# Altium PCB 第十三届电磁PCB.PcbDoc (part 2 of 2) (continued)
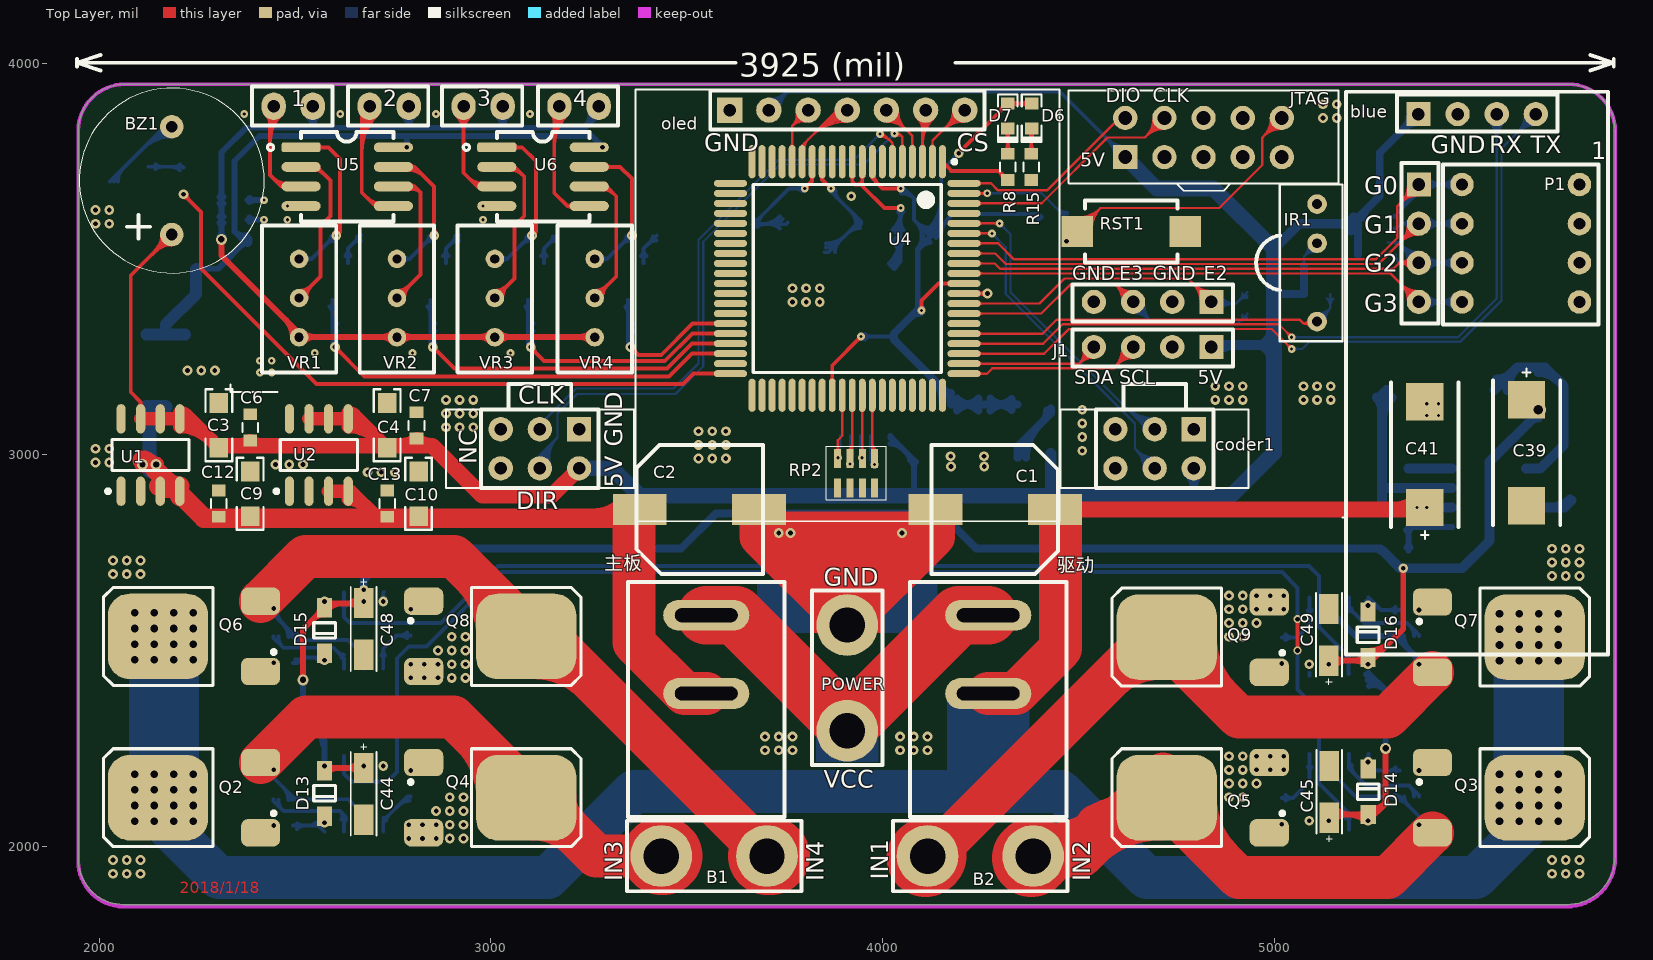
[diagram p0: Top Layer view]
## Nets (pads, with @x,y where several pads share a name; then routed paths per layer and width w, separated by ;. In a path a pad name is that pad's centre, name@x,y a point inside that pad or via, vN(x,y) a via of type N, cw(c..) or ccw(c..) an arc to the next point about the centre after c; other vN are vias at no path point) (continued)
PE1_CODER1DIR: coder1.5 U4.75 | length 1169.3
  Top Layer w6: U4.75@4208.23,3565.16 v3@4280,3565.16 ; U4.75@4245.83,3561.02 cw(c4255.84,3551.02) 4255.84,3565.16 cw(c4255.84,3579.3) U4.75@4245.83,3569.3 ; 4262.72,3565.16 cw(c4262.72,3547.72) v3@4275.05,3560.05 ; 4263.48,3565.16 ccw(c4263.48,3581.52) v3@4275.05,3569.95
  Bottom Layer w6: v3@4280,3558 cw(c4280,3541.1) 4291.95,3553.05 cw(c4303.9,3565) v3@4287,3565 ; v3(4280,3565) 4315,3530 4315,3410 4645,3080 4645,3015 coder1.5@4695,2965 ; coder1.5@4667,2965 ccw(c4599.4,2965) 4647.2,3012.8 ccw(c4695,3060.6) coder1.5@4695,2993 ; coder1.5@4673,2965 ccw(c4619.89,2965) 4657.44,3002.56 ccw(c4695,3040.11) coder1.5@4695,2987 ; coder1.5@4679,2965 ccw(c4640.37,2965) 4667.69,2992.31 ccw(c4695,3019.63) coder1.5@4695,2981
PE7_FTM1_COUNT: P-coder2.2 U4.6 | length 1556.1
  Top Layer w6: v3@3994,3812 cw(c3994,3775.79) 4019.61,3801.39 ; v3@3994,3818 cw(c3994,3796.27) 4009.36,3811.64 ; v3(3994,3819) 4002,3819 4025.16,3795.84 ; U4.6@4021.02,3785.83 ccw(c4011.02,3795.84) 4025.16,3795.84 ; U4.6@4025.16,3748.23 4025.16,3795.84 ; U4.6@4029.3,3785.83 cw(c4039.3,3795.84) 4025.16,3795.84
  Bottom Layer w6: P-coder2.2@3125,3065 3125,3076.97 3217.03,3169 3466,3169 3530,3233 3530,3548.97 3734.03,3753 3928,3753 v3(3994,3819) ; v3@3987,3819 cw(c3970.1,3819) 3982.05,3807.05 cw(c3994,3795.1) v3@3994,3812
PF4_ADC0_SE12: C28.2 D8.2 R18.2 U4.38 | length 1501.1
  Top Layer w10: v1@2601.5,3267.5 cw(c2601.5,3249.39) 2614.3,3262.2 cw(c2627.11,3275) v1@2609,3275 ; v1(2601.5,3275) 2676.5,3200 3455,3200 3513.07,3258.07 U4.38@3611.77,3258.07 ; U4.38@3575.58,3255.34 ccw(c3568.99,3248.76) 3568.99,3258.07 ccw(c3568.99,3267.38) U4.38@3575.58,3260.8
  Bottom Layer w10: D8.2@2587.93,3377.93 cw(c2570.86,3360.86) 2595,3360.86 cw(c2619.14,3360.86) D8.2@2602.07,3377.93 ; R18.2@2595,3282.67 cw(c2641.33,3282.67) C28.2@2608.57,3315.43 ; 2595,3293.19 ccw(c2617.19,3293.19) R18.2@2601.5,3277.5 ; 2595,3306.81 cw(c2617.19,3306.81) C28.2@2601.5,3322.5 ; C28.2@2595,3308.8 ccw(c2635.3,3308.8) R18.2@2606.8,3280.3 ; C28.2@2595,3317.33 ccw(c2641.33,3317.33) R18.2@2608.57,3284.57 ; 2595,3343.19 ccw(c2617.19,3343.19) C28.2@2601.5,3327.5 ; 2595,3367.33 ccw(c2641.33,3367.33) C28.2@2608.57,3334.57 ; D8.2@2595,3395 2595,3281.5 v1(2601.5,3275) ; R18.2@2596.55,3280.64 ccw(c2586.41,3292.2) 2599.73,3299.89 ; R18.2@2603.15,3273.12 ccw(c2594.61,3282.86) R18.2@2605.82,3289.33
PF5_ADC0_SE13: C32.2 D9.2 R20.2 U4.37 | length 1245.2
  Top Layer w10: v1@2851.5,3267.5 cw(c2851.5,3249.39) 2864.3,3262.2 cw(c2877.11,3275) v1@2859,3275 ; v1(2851.5,3275) 2906.5,3220 3450,3220 3513.66,3283.66 U4.37@3611.77,3283.66 ; U4.37@3575.58,3280.93 ccw(c3568.99,3274.35) 3568.99,3283.66 ccw(c3568.99,3292.98) U4.37@3575.58,3286.39
  Bottom Layer w10: D9.2@2837.93,3377.93 cw(c2820.86,3360.86) 2845,3360.86 cw(c2869.14,3360.86) D9.2@2852.07,3377.93 ; R20.2@2845,3282.67 cw(c2891.33,3282.67) C32.2@2858.57,3315.43 ; 2845,3293.19 ccw(c2867.19,3293.19) R20.2@2851.5,3277.5 ; 2845,3306.81 cw(c2867.19,3306.81) C32.2@2851.5,3322.5 ; C32.2@2845,3308.8 ccw(c2885.3,3308.8) R20.2@2856.8,3280.3 ; C32.2@2845,3317.33 ccw(c2891.33,3317.33) R20.2@2858.57,3284.57 ; 2845,3343.19 ccw(c2867.19,3343.19) C32.2@2851.5,3327.5 ; 2845,3367.33 ccw(c2891.33,3367.33) C32.2@2858.57,3334.57 ; D9.2@2845,3395 2845,3281.5 v1(2851.5,3275) ; R20.2@2846.55,3280.64 ccw(c2836.41,3292.2) 2849.73,3299.89 ; R20.2@2853.15,3273.12 ccw(c2844.61,3282.86) R20.2@2855.82,3289.33
PF6_ADC0_SE14: C34.2 D10.2 R21.2 U4.36 | length 990.9
  Top Layer w10: v1@3101.5,3267.5 cw(c3101.5,3253.01) 3111.74,3263.26 ; v1(3101.5,3275) 3101.5,3273.5 3136,3239 3444,3239 3514.25,3309.25 U4.36@3611.77,3309.25 ; v1@3109,3275 ccw(c3130.73,3275) 3115.36,3259.64 ; U4.36@3575.58,3306.53 ccw(c3568.99,3299.94) 3568.99,3309.25 ccw(c3568.99,3318.57) U4.36@3575.58,3311.98
  Bottom Layer w10: D10.2@3087.93,3377.93 cw(c3070.86,3360.86) 3095,3360.86 cw(c3119.14,3360.86) D10.2@3102.07,3377.93 ; R21.2@3095,3282.67 cw(c3141.33,3282.67) C34.2@3108.57,3315.43 ; 3095,3293.19 ccw(c3117.19,3293.19) R21.2@3101.5,3277.5 ; 3095,3306.81 cw(c3117.19,3306.81) C34.2@3101.5,3322.5 ; C34.2@3095,3308.8 ccw(c3135.3,3308.8) R21.2@3106.8,3280.3 ; C34.2@3095,3317.33 ccw(c3141.33,3317.33) R21.2@3108.57,3284.57 ; 3095,3343.19 ccw(c3117.19,3343.19) C34.2@3101.5,3327.5 ; 3095,3367.33 ccw(c3141.33,3367.33) C34.2@3108.57,3334.57 ; D10.2@3095,3395 3095,3281.5 v1(3101.5,3275) ; R21.2@3096.55,3280.64 ccw(c3086.41,3292.2) 3099.73,3299.89 ; R21.2@3103.15,3273.12 ccw(c3094.61,3282.86) R21.2@3105.82,3289.33
PF7_ADC0_SE15: C37.2 D11.2 R22.2 U4.35 | length 730.3
  Top Layer w10: v1@3356.5,3267.5 cw(c3356.5,3249.39) 3369.3,3262.2 cw(c3382.11,3275) v1@3364,3275 ; v1(3356.5,3275) 3376.5,3255 3435,3255 3514.84,3334.84 U4.35@3611.77,3334.84 ; U4.35@3575.58,3332.11 ccw(c3568.99,3325.53) 3568.99,3334.84 ccw(c3568.99,3344.16) U4.35@3575.58,3337.57
  Bottom Layer w10: D11.2@3342.93,3377.93 cw(c3325.86,3360.86) 3350,3360.86 cw(c3374.14,3360.86) D11.2@3357.07,3377.93 ; R22.2@3350,3282.67 cw(c3396.33,3282.67) C37.2@3363.57,3315.43 ; 3350,3293.19 ccw(c3372.19,3293.19) R22.2@3356.5,3277.5 ; 3350,3306.81 cw(c3372.19,3306.81) C37.2@3356.5,3322.5 ; C37.2@3350,3308.8 ccw(c3390.3,3308.8) R22.2@3361.8,3280.3 ; C37.2@3350,3317.33 ccw(c3396.33,3317.33) R22.2@3363.57,3284.57 ; 3350,3343.19 ccw(c3372.19,3343.19) C37.2@3356.5,3327.5 ; 3350,3367.33 ccw(c3396.33,3367.33) C37.2@3363.57,3334.57 ; D11.2@3350,3395 3350,3276.5 R22.2@3351.5,3275 ; R22.2@3351.55,3280.64 ccw(c3341.41,3292.2) 3354.73,3299.89 ; R22.2@3358.15,3273.12 ccw(c3349.61,3282.86) R22.2@3360.82,3289.33
PG4_FTM2_CH2: RP2.2 U4.53 U7.18 | length 341.7
  Top Layer w6: U4.53@3969.83,3114.17 cw(c3959.83,3104.16) 3973.97,3104.16 cw(c3988.12,3104.16) U4.53@3978.12,3114.17 ; 3973.97,3019.95 ccw(c3994.2,3019.95) RP2.2@3979.9,3005.65 ; 3973.97,3034.44 ccw(c4008.69,3034.44) RP2.2@3984.14,3009.89 ; U4.53@3973.97,3151.77 3973.97,2996.62 RP2.2@3980,2990.59
  Bottom Layer w6: U7.18@3966.76,3024.32 cw(c3961.8,3019.36) 3968.82,3019.36 cw(c3975.83,3019.36) U7.18@3970.87,3024.32 ; U7.18@3968.82,3048.03 3968.82,2986.18 ; v3@3973.01,2975.34 ccw(c3958.66,2976.03) 3968.82,2986.18 ; v3@3979.66,2981.99 cw(c3978.97,2996.34) 3968.82,2986.18 ; v3(3980,2975) 3968.82,2986.18
PG5_FTM2_CH3: RP2.4 U4.52 U7.17 | length 340.7
  Top Layer w6: RP2.4@3943.05,2996.95 ccw(c3930.17,3009.83) RP2.4@3948.39,3009.83 ; U4.52@3944.24,3114.17 cw(c3934.24,3104.16) 3948.39,3104.16 cw(c3962.53,3104.16) U4.52@3952.53,3114.17 ; RP2.4@3944.36,3009.89 ccw(c3934.65,3019.61) 3948.39,3019.61 ; v3(3948,2992) 3948.39,2992.39 U4.52@3948.39,3151.77 ; RP2.4@3948.39,3007.97 ccw(c3963.97,3007.97) RP2.4@3952.95,2996.95 ; 3948.39,3020.18 ccw(c3962.93,3020.18) RP2.4@3952.65,3009.89
  Bottom Layer w6: U7.17@3941.17,3024.32 cw(c3936.21,3019.36) 3943.23,3019.36 cw(c3950.24,3019.36) U7.17@3945.28,3024.32 ; 3943.23,3005.93 ccw(c3961.93,3005.93) v3@3948.71,2992.71 ; 3943.23,3020.42 ccw(c3976.42,3020.42) v3@3952.95,2996.95 ; U7.17@3943.23,3048.03 3943.23,2996.77 v3(3948,2992)
PG6_FTM2_CH4: RP2.6 U4.51 U7.16 | length 337.5
  Top Layer w6: RP2.6@3912.87,3009.89 ccw(c3888.89,3033.87) 3922.8,3033.87 ; RP2.6@3917.01,2990.59 3922.8,2996.38 U4.51@3922.8,3151.77 ; RP2.6@3917.11,3005.65 ccw(c3903.37,3019.38) 3922.8,3019.38 ; U4.51@3918.65,3114.17 cw(c3908.65,3104.16) 3922.8,3104.16 cw(c3936.94,3104.16) U4.51@3926.94,3114.17
  Bottom Layer w6: v3@3912.05,2980.95 ccw(c3898.56,2994.44) 3917.64,2994.44 ; U7.16@3915.58,3024.32 cw(c3910.62,3019.36) 3917.64,3019.36 cw(c3924.65,3019.36) U7.16@3919.69,3024.32 ; v3(3917,2976) 3917.64,2976.64 U7.16@3917.64,3048.03 ; 3917.64,2991.36 ccw(c3932.36,2991.36) v3@3921.95,2980.95
PG7_FTM2_CH5: RP2.8 U4.50 U7.15 | length 352.5
  Top Layer w6: RP2.8@3881.05,2996.95 ccw(c3869.1,3008.9) 3886,3008.9 ccw(c3902.9,3008.9) RP2.8@3890.95,2996.95 ; RP2.8@3881.37,3009.89 ccw(c3870.19,3021.07) 3886,3021.07 ; v3(3886,2992) 3886,3037 3897.2,3048.2 U4.50@3897.2,3151.77 ; 3886,3018.71 ccw(c3898.48,3018.71) RP2.8@3889.65,3009.89 ; U4.50@3893.06,3114.17 cw(c3883.06,3104.16) 3897.2,3104.16 cw(c3911.35,3104.16) U4.50@3901.35,3114.17
  Bottom Layer w6: v3@3881.05,2996.95 ccw(c3854.5,3023.5) U7.15@3892.05,3023.5 ; v3@3885.29,2992.71 ccw(c3868.99,3009.01) 3892.05,3009.01 ; v3(3886,2992) 3892.05,2998.05 U7.15@3892.05,3048.03 ; U7.15@3889.99,3024.32 cw(c3885.03,3019.36) 3892.05,3019.36 cw(c3899.06,3019.36) U7.15@3894.1,3024.32
PGND: C39.2 C40.2 C41.2 C44.2 C45.2 C48.2 C49.2 Q4.3 Q5.3 Q8.3 Q9.3 R9.1 R10.1 R11.1 R12.1 R26.1 U8.2 U8.4 U9.4 U10.4 U11.4 U12.4 | length 67.5
  Top Layer w10: C45.2@5140,2204 C45.2@5141,2205
  Bottom Layer w10: U11.4@2719.7,2630.3 ccw(c2706.89,2643.11) 2725,2643.11 ccw(c2743.11,2643.11) U11.4@2730.3,2630.3 ; U11.4@2720.5,2631 ccw(c2713.75,2640) U11.4@2725,2640 ; U11.4@2727,2650 U11.4@2725,2648 U11.4@2725,2640 ; U11.4@2729.5,2631 cw(c2736.25,2640) U11.4@2725,2640 ; U12.4@5091,2436 U12.4@5091,2442
  other v1: 2035,1930 2070,1930 2105,1930 5710,1930 5745,1930 5780,1930 2035,1965 2070,1965 2105,1965 5710,1965 5745,1965 5780,1965 2790,2020 2825,2020 2860,2020 2895,2020 2930,2020 2790,2055 2825,2055 2860,2055 2895,2055 2930,2055 5090,2065 2860,2090 2895,2090 2930,2090 2895,2125 2930,2125 4885,2125 4920,2125 4885,2160 4920,2160 4955,2160 4885,2195 4920,2195 4955,2195 4990,2195 5025,2195 2725,2205 4885,2230 4920,2230 4955,2230 4990,2230 5025,2230 3700,2245 3735,2245 3770,2245 4045,2245 4080,2245 4115,2245 3700,2280 3735,2280 3770,2280 4045,2280 4080,2280 4115,2280 2795,2430 2830,2430 2865,2430 2900,2430 2935,2430 2795,2465 2830,2465 2865,2465 2900,2465 2935,2465 5090,2465 2865,2500 2900,2500 2935,2500 2900,2535 2935,2535 4885,2535 4920,2535 4885,2570 4920,2570 4955,2570 4885,2605 4920,2605 4955,2605 4990,2605 5025,2605 2725,2625 4885,2640 4920,2640 4955,2640 4990,2640 5025,2640 5710,2690 5745,2690 5780,2690 2035,2695 2070,2695 2105,2695 5710,2725 5745,2725 5780,2725 2035,2730 2070,2730 2105,2730 5710,2760 5745,2760 5780,2760
  other v3: 5390,3100 5420,3100 5390,3130 5420,3130
PH5_CODER2DIR: P-coder2.5 U4.5 | length 2114.7
  Top Layer w6: v3(4031,3820) 4042,3820 ; v3@4031.46,3819.11 cw(c4036.8,3808.87) 4044.96,3817.04 ; v3@4034.23,3813.79 cw(c4040.76,3801.27) 4050.75,3811.25 ; v3@4037.34,3817.04 cw(c4042,3814.86) 4042,3820 ; v3@4037.34,3822.96 ccw(c4042,3825.14) 4042,3820 ; U4.5@4046.6,3785.83 ccw(c4036.6,3795.84) 4050.75,3795.84 ccw(c4064.89,3795.84) U4.5@4054.89,3785.83 ; U4.5@4050.75,3748.23 4050.75,3811.25 ; 4042,3820 4050.75,3811.25
  Bottom Layer w6: P-coder2.5@3117.32,2962.74 cw(c3154.54,2973.68) 3127.11,3001.11 ; P-coder2.5@3119.63,2992.48 ccw(c3118.36,2999) 3125,2999 ; P-coder2.5@3123.08,2964.44 cw(c3165.58,2976.93) 3134.26,3008.26 ; P-coder2.5@3125,2965 3125,2999 ; P-coder2.5@3128.84,2966.13 cw(c3176.63,2980.18) 3141.41,3015.41 ; P-coder2.5@3130.37,2992.48 cw(c3131.64,2999) 3125,2999 ; P-coder2.5@3134.59,2967.82 cw(c3187.68,2983.43) 3148.55,3022.55 ; P-coder2.5@3140.35,2969.51 cw(c3198.73,2986.68) 3155.7,3029.7 ; P-coder2.5@3146.11,2971.21 cw(c3209.78,2989.92) 3162.85,3036.85 ; P-coder2.5@3151.86,2972.9 cw(c3220.82,2993.17) 3170,3044 ; v3@4024,3820 cw(c4007.1,3820) 4019.05,3808.05 cw(c4031,3796.1) v3@4031,3813 ; v3(4031,3820) 3952,3741 3739,3741 3542,3544 3542,3226 3471,3155 3220,3155 3170,3105 3170,3044 ; 3125,2999 3170,3044
REED1: R3.1 REED1.1 U4.68 | length 1302.6
  Top Layer w6: U4.68@4208.23,3386.03 4401.03,3386.03 4465,3450 4780,3450 REED1.1@4840,3390 ; U4.68@4245.83,3381.88 cw(c4255.84,3371.88) 4255.84,3386.03 cw(c4255.84,3400.17) U4.68@4245.83,3390.17 ; REED1.1@4812,3390 ccw(c4744.4,3390) 4792.2,3437.8 ccw(c4840,3485.6) REED1.1@4840,3418 ; REED1.1@4818,3390 ccw(c4764.89,3390) 4802.44,3427.56 ccw(c4840,3465.11) REED1.1@4840,3412 ; REED1.1@4824,3390 ccw(c4785.37,3390) 4812.69,3417.31 ccw(c4840,3444.63) REED1.1@4840,3406
  Bottom Layer w6: REED1.1@4840,3385 4901.5,3385 ; REED1.1@4853.33,3398.85 ccw(c4879.13,3415.96) 4879.13,3385 ; REED1.1@4855.56,3374.44 cw(c4881.04,3348.96) 4881.04,3385 ; REED1.1@4858.33,3402.16 ccw(c4890.32,3423.38) 4890.32,3385 ; REED1.1@4859.8,3370.2 cw(c4895.53,3334.47) 4895.53,3385 ; REED1.1@4863.33,3405.48 ccw(c4901.5,3430.8) 4901.5,3385 ; 4906.75,3390.25 cw(c4931.5,3365.49) R3.1@4931.5,3400.5 ; 4912.78,3396.28 ccw(c4896.56,3412.5) R3.1@4919.5,3412.5 ; R3.1@4916.99,3400.49 cw(c4931.5,3385.98) R3.1@4931.5,3406.5 ; R3.1@4931.5,3415 4901.5,3385
REED2: R4.1 REED1.3 U4.67 | length 1367.3
  Top Layer w6: U4.67@4208.23,3360.43 4405.43,3360.43 4480,3435 4595,3435 ; U4.67@4245.83,3356.29 cw(c4255.84,3346.29) 4255.84,3360.43 cw(c4255.84,3374.58) U4.67@4245.83,3364.58 ; REED1.3@4612.03,3391.22 ccw(c4553.77,3393.76) 4595,3435 ; REED1.3@4618.02,3390.96 ccw(c4572.25,3392.96) 4604.64,3425.36 ccw(c4637.04,3457.75) REED1.3@4639.04,3411.98 ; REED1.3@4624.02,3390.7 ccw(c4590.72,3392.15) 4614.29,3415.71 ccw(c4637.85,3439.28) REED1.3@4639.3,3405.98 ; REED1.3@4638.78,3417.97 cw(c4636.24,3476.23) 4595,3435 ; REED1.3@4640,3390 4595,3435
  Bottom Layer w6: REED1.3@4640,3362 cw(c4640,3306.47) 4679.26,3345.74 ; REED1.3@4640,3368 cw(c4640,3326.96) 4669.02,3355.98 ; REED1.3@4640,3385 4690,3335 ; REED1.3@4650,3389.82 ccw(c4684.27,3389.21) 4660.03,3364.97 ; REED1.3@4656,3389.71 ccw(c4703.9,3388.85) 4670.02,3354.98 ; REED1.3@4662,3389.61 ccw(c4723.52,3388.5) 4680.01,3344.99 ; REED1.3@4668,3389.5 ccw(c4743.14,3388.15) 4690,3335 ; 4906.75,3335.25 cw(c4931.5,3310.49) R4.1@4931.5,3345.5 ; 4912.78,3341.28 ccw(c4896.56,3357.5) R4.1@4919.5,3357.5 ; R4.1@4916.99,3345.49 cw(c4931.5,3330.98) R4.1@4931.5,3351.5 ; R4.1@4931.5,3360 4906.5,3335 4690,3335
RESET: C19.1 JTAG.6 R7.2 RST1.1 U4.79 | length 1965.7
  Top Layer w6: U4.79@4208.23,3667.52 v3(4267.48,3667.52) ; U4.79@4245.83,3663.38 cw(c4255.84,3653.38) 4255.84,3667.52 cw(c4255.84,3681.66) U4.79@4245.83,3671.66 ; v3@4262.53,3662.57 ccw(c4250.58,3650.62) 4250.58,3667.52 ccw(c4250.58,3684.42) v3@4262.53,3672.47 ; RST1.1@4497.2,3570 4557.2,3630 ; RST1.1@4497.91,3588.99 ccw(c4499.4,3629.42) 4528.01,3600.81 ccw(c4556.62,3572.2) RST1.1@4516.19,3570.7 ; RST1.1@4498.13,3594.98 ccw(c4500.1,3648.18) 4537.74,3610.54 ccw(c4575.39,3572.9) RST1.1@4522.19,3570.93 ; RST1.1@4498.35,3600.98 ccw(c4500.79,3666.95) 4547.47,3620.27 ccw(c4594.15,3573.59) RST1.1@4528.18,3571.15 ; RST1.1@4498.57,3606.97 ccw(c4501.49,3685.71) 4557.2,3630 ; RST1.1@4534.18,3571.37 cw(c4612.91,3574.29) 4557.2,3630 ; JTAG.6@4992,3860 cw(c4924.4,3860) 4972.2,3812.2 cw(c5020,3764.4) JTAG.6@5020,3832 ; JTAG.6@4998,3860 cw(c4944.89,3860) 4982.44,3822.44 cw(c5020,3784.89) JTAG.6@5020,3838 ; JTAG.6@5004,3860 cw(c4965.37,3860) 4992.69,3832.69 cw(c5020,3805.37) JTAG.6@5020,3844 ; JTAG.6@5020,3860 4970,3810 4970,3740 4860,3630 4557.2,3630
  Bottom Layer w6: v3(4267.48,3667.52) 4405.98,3667.52 4473.5,3600 C19.1@4473.5,3550 4473.5,3548.5 v1(4470,3545) ; v3@4272.43,3662.57 cw(c4284.38,3650.62) 4284.38,3667.52 cw(c4284.38,3684.42) v3@4272.43,3672.47 ; 4440.21,3633.29 ccw(c4473.5,3666.58) R7.2@4473.5,3619.5 ; 4450.45,3623.05 ccw(c4473.5,3646.09) R7.2@4473.5,3613.5 ; 4458.32,3615.18 cw(c4450.64,3607.5) R7.2@4461.5,3607.5 ; C19.1@4463.28,3551.72 ccw(c4438.62,3576.38) 4473.5,3576.38 ; C19.1@4465.01,3560.99 ccw(c4444.53,3581.47) 4473.5,3581.47 ccw(c4502.47,3581.47) C19.1@4481.99,3560.99 ; R7.2@4465.01,3594.01 cw(c4444.53,3573.53) 4473.5,3573.53 cw(c4502.47,3573.53) R7.2@4481.99,3594.01 ; C19.1@4467.53,3547.47 ccw(c4453.1,3561.9) C19.1@4473.5,3561.9 ; C19.1@4473.5,3559.49 ccw(c4484.49,3559.49) C19.1@4476.72,3551.72
RGND: C28.1 C29.2 C30.1 C32.1 C34.1 C35.1 C37.1 D8.1 D9.1 D10.1 D11.1 R14.1 R18.1 R19.1 R20.1 R21.1 R22.1 U5.4 U6.4 | length 139.9
  Bottom Layer w15: R19.1@2378.5,3600 v3(2420,3600) ; C29.2@2378.5,3650 v3(2420,3650) ; R19.1@2383.8,3594.7 cw(c2396.61,3581.89) 2396.61,3600 cw(c2396.61,3618.11) R19.1@2383.8,3605.3 ; C29.2@2383.8,3644.7 cw(c2396.61,3631.89) 2396.61,3650 cw(c2396.61,3668.11) C29.2@2383.8,3655.3
  other v3: 2410,3210 2440,3210 2410,3240 2440,3240 2550,3260 2800,3260 3050,3260 2480,3600 2980,3600 2480,3635 2980,3635 2370,3870 2615,3870 2860,3870 3100,3870
RST_OLED: oled.5 U4.4 | length 448.8
  Top Layer w6: oled.5@4010,3850.5 cw(c4010,3779.28) 4060.36,3829.64 cw(c4110.72,3880) oled.5@4039.5,3880 ; oled.5@4010,3856.5 cw(c4010,3799.77) 4050.12,3839.88 cw(c4090.23,3880) oled.5@4033.5,3880 ; oled.5@4010,3862.5 cw(c4010,3820.25) 4039.87,3850.13 cw(c4069.75,3880) oled.5@4027.5,3880 ; oled.5@4010,3880 4076.34,3813.66 U4.4@4076.34,3748.23 ; U4.4@4072.2,3785.83 ccw(c4062.2,3795.84) 4076.34,3795.84 ccw(c4090.48,3795.84) U4.4@4080.48,3785.83
SCL: J1.3 U4.61 | length 729.6
  Top Layer w6: U4.61@4208.23,3206.89 4266.89,3206.89 4280.48,3220.48 4590.48,3220.48 ; U4.61@4245.83,3202.75 cw(c4255.84,3192.75) 4255.84,3206.89 cw(c4255.84,3221.03) U4.61@4245.83,3211.03 ; 4600.38,3230.38 ccw(c4557.78,3272.98) J1.3@4618.01,3274.46 ; 4600.74,3230.74 cw(c4640,3191.47) J1.3@4640,3247 ; 4610.28,3240.28 ccw(c4577.1,3273.45) J1.3@4624,3274.61 ; 4610.98,3240.98 cw(c4640,3211.96) J1.3@4640,3253 ; J1.3@4612.01,3274.31 cw(c4538.47,3272.5) 4590.48,3220.48 ; 4620.17,3250.17 ccw(c4596.42,3273.93) J1.3@4630,3274.75 ; J1.3@4640,3270 4590.48,3220.48
SDA: J1.4 U4.62 | length 537.2
  Top Layer w6: U4.62@4208.23,3232.48 4502.48,3232.48 ; U4.62@4245.83,3228.34 cw(c4255.84,3218.34) 4255.84,3232.48 cw(c4255.84,3246.62) U4.62@4245.83,3236.62 ; 4510.1,3240.1 ccw(c4487.55,3262.64) J1.4@4518.59,3269.96 ; 4512.3,3242.3 cw(c4538.2,3216.39) J1.4@4539.33,3253.01 ; J1.4@4512.75,3268.58 cw(c4475.23,3259.74) 4502.48,3232.48 ; 4517.71,3247.71 ccw(c4499.87,3265.55) J1.4@4524.43,3271.33 ; J1.4@4539.14,3247.01 ccw(c4537.62,3197.35) 4502.48,3232.48 ; J1.4@4540,3270 4502.48,3232.48
VDD: C22.2 C23.2 C24.2 D4.2 D5.2 D6.1 D7.1 F1.2 L1.2 R7.1 U4.8 U4.49 U4.70 | length 3685.9
  Top Layer w10: U4.49@3868.89,3187.96 ccw(c3862.3,3194.55) 3871.61,3194.55 ccw(c3880.93,3194.55) U4.49@3874.34,3187.96 ; U4.49@3871.61,3151.77 3871.61,3228.11 v3(3945,3301.5) ; v3@3940,3301.5 cw(c3927.93,3301.5) 3936.46,3292.96 cw(c3945,3284.43) v3@3945,3296.5 ; U4.8@3973.97,3748.23 3973.97,3706.03 4000,3680 v3(4046.5,3680) ; U4.8@3977.83,3714.76 ccw(c4008.24,3714.76) 3986.74,3693.26 ; v3@4042.96,3676.46 ccw(c4034.43,3667.93) 4034.43,3680 ccw(c4034.43,3692.07) v3@4042.96,3683.54 ; v3@4096.46,3372.04 ccw(c4087.93,3380.57) 4100,3380.57 ccw(c4112.07,3380.57) v3@4103.54,3372.04 ; v3(4100,3368.5) 4100,3393.74 4143.46,3437.2 U4.70@4208.23,3437.2 ; U4.70@4172.04,3434.47 ccw(c4165.45,3427.89) 4165.45,3437.2 ccw(c4165.45,3446.52) U4.70@4172.04,3439.93 ; v1@4195,3772 D7.1@4320,3897 D7.1@4326,3897 ; v1@4195,3777.5 ccw(c4195,3790.78) 4204.39,3781.39 ; v1@4202.5,3770 cw(c4225.44,3770) 4209.22,3786.22 ; 4298.66,3875.66 ccw(c4277.32,3897) D7.1@4307.5,3897 ; 4304.7,3881.7 cw(c4317.5,3868.89) D7.1@4317.5,3887 ; D7.1@4324,3895 D7.1@4326,3897 ; D7.1@4329.57,3889.93 cw(c4346.64,3872.86) 4346.64,3897 cw(c4346.64,3921.14) D7.1@4329.57,3904.07 ; D6.1@4371.43,3889.93 ccw(c4354.36,3872.86) 4354.36,3897 ccw(c4354.36,3921.14) D6.1@4371.43,3904.07 ; D6.1@4381,3897 D7.1@4326,3897
  Bottom Layer w10: v3(3945,3301.5) 4021.5,3301.5 4029,3294 ; C24.2@3948.54,3297.96 cw(c3957.07,3289.43) 3957.07,3301.5 cw(c3957.07,3313.57) C24.2@3948.54,3305.04 ; C24.2@3954.57,3294.43 cw(c3971.64,3277.36) 3971.64,3301.5 cw(c3971.64,3325.64) C24.2@3954.57,3308.57 ; C22.2@4046.5,3675 cw(c4046.5,3642.41) 4069.55,3665.45 ; C22.2@4046.5,3677.5 cw(c4047.86,3654.36) 4064.25,3670.75 ; v3(4046.5,3680) 4055,3680 4080,3655 ; C22.2@4047.09,3667.52 cw(c4049.6,3624.61) 4080,3655 ; L1.2@4100,3560 ccw(c4051.72,3560) 4085.86,3594.14 ccw(c4120,3628.28) L1.2@4120,3580 ; L1.2@4115.86,3574.14 ccw(c4033.43,3656.57) 4150,3656.57 ; L1.2@4122.93,3567.07 ccw(c4057.57,3632.43) 4150,3632.43 ; L1.2@4130,3560 ccw(c4081.72,3608.28) 4150,3608.28 ; L1.2@4130,3580 ccw(c4130,3616.21) 4155.61,3590.61 ; L1.2@4137.07,3552.93 ccw(c4105.86,3584.14) L1.2@4150,3584.14 ; L1.2@4140,3560 cw(c4176.21,3560) 4150.61,3585.61 ; L1.2@4150,3560 cw(c4210.36,3560) 4167.68,3602.68 ; v1@4187.5,3770 cw(c4169.39,3770) 4182.2,3757.2 cw(c4195,3744.39) v1@4195,3762.5 ; v1(4195,3770) 4150,3725 4150,3585 ; 4364.25,3615 cw(c4364.25,3565.25) R7.1@4399.43,3600.43 ; 4388.39,3615 cw(c4388.39,3589.39) R7.1@4406.5,3607.5 ; R7.1@4406.5,3605 4396.5,3615 4180,3615 4150,3585 ; 4080,3655 4080,3600 4120,3560 L1.2@4125,3560 4150,3585
  Bottom Layer w15: C23.2@4090,3370 4090,3525 ; 4090,3398.68 ccw(c4130.18,3398.68) C23.2@4101.77,3370.27 ; 4090,3404.71 ccw(c4133.71,3404.71) C23.2@4102.8,3373.8 ; 4095.25,3386.89 cw(c4075,3375.2) C23.2@4097.59,3369.15 ; 4098.66,3533.66 cw(c4120,3512.32) L1.2@4120,3542.5 ; L1.2@4102.55,3558.72 cw(c4059.44,3555.57) 4090,3525 ; L1.2@4125,3560 4090,3525
  Bottom Layer w20: 4073.6,3353.6 cw(c4097.5,3329.7) C23.2@4097.5,3363.5 ; 4080.37,3360.37 cw(c4100,3340.74) v3(4100,3368.5) ; C23.2@4091.33,3361.85 ccw(c4087.63,3375.64) v3(4100,3368.5) ; 4129.73,3193.27 cw(c4072.33,3135.87) D4.2@4153.5,3135.87 ; D4.2@4159,3164 ccw(c4175,3179.99) D4.2@4175,3157.37 ; D4.2@4190.2,3112.8 cw(c4226.9,3076.1) 4226.9,3128 cw(c4226.9,3179.9) D4.2@4190.2,3143.2 ; D5.2@4244.8,3112.8 ccw(c4208.1,3076.1) 4208.1,3128 ccw(c4208.1,3179.9) D5.2@4244.8,3143.2 ; D5.2@4275.2,3112.8 cw(c4311.9,3076.1) 4311.9,3128 cw(c4311.9,3179.9) D5.2@4275.2,3143.2 ; F1.2@4329.34,3113.91 ccw(c4295.33,3079.91) 4295.33,3128 ccw(c4295.33,3176.09) F1.2@4329.34,3142.09 ; F1.2@4345,3128 D5.2@4260,3128 D4.2@4175,3128 4175,3148 4029,3294 4029,3309 4088.5,3368.5 v3(4100,3368.5)
X5V: C5.1 C8.2 C30.2 C35.2 R17.2 U3.5 U3.6 U3.7 U5.8 U6.8 | length 1848.7
  Bottom Layer w15: C8.2@2248.5,3475 2303.5,3475 R17.2@2378.5,3550 ; C8.2@2253.8,3469.7 cw(c2266.61,3456.89) 2266.61,3475 cw(c2266.61,3493.11) C8.2@2253.8,3480.3 ; 2361.43,3532.93 cw(c2378.5,3515.86) R17.2@2378.5,3540 ; R17.2@2377.18,3559.88 cw(c2370.79,3595.78) 2345,3570 ; R17.2@2378.5,3548.5 R17.2@2378.5,3550 ; C30.2@2779.7,3788.8 ccw(c2766.89,3801.61) 2785,3801.61 ccw(c2803.11,3801.61) C30.2@2790.3,3788.8 ; v1(2785,3785) 2785,3814 ; 3265.81,3805.69 cw(c3243.62,3783.5) C35.2@3275,3783.5 ; C35.2@3275.4,3796.1 cw(c3264.31,3785) C35.2@3280,3785 ; C35.2@3286.5,3785 3257.5,3814 2785,3814 ; 2345,3570 2345,3750 2409,3814 2785,3814 ; 2345,3570 2365,3550 R17.2@2378.5,3550
  Bottom Layer w25: R17.2@2378.5,3543.5 R17.2@2378.5,3550
  Bottom Layer w30: U3.5@2119.61,3306.73 U3.6@2169.61,3306.73 ; U3.7@2219.61,3306.73 U3.6@2169.61,3306.73 ; C8.2@2248.5,3475 2247,3473.5 C5.1@2247,3410 2169.61,3332.61 U3.6@2169.61,3306.73
  other v1: 3285,3785
XTAL: C25.2 R16.1 U4.14 Y1.1 | length 623.1
  Top Layer w10: v3(3801.5,3680) 3820.43,3698.93 U4.14@3820.43,3748.23 ; v3@3801.5,3685 ccw(c3801.5,3697.07) 3810.04,3688.54 ccw(c3818.57,3680) v3@3806.5,3680 ; U4.14@3817.71,3712.04 cw(c3811.12,3705.45) 3820.43,3705.45 cw(c3829.75,3705.45) U4.14@3823.16,3712.04
  Bottom Layer w10: C25.2@3672.5,3598.5 ccw(c3672.5,3616.61) 3685.3,3603.8 ; C25.2@3679.57,3581.43 cw(c3696.64,3564.36) 3696.64,3588.5 cw(c3696.64,3612.64) C25.2@3679.57,3595.57 ; C25.2@3682.5,3588.5 cw(c3712.68,3588.5) 3691.34,3609.84 ; 3688.74,3588.5 ccw(c3688.74,3658.33) Y1.1@3738.11,3608.95 ; 3710.46,3588.5 cw(c3710.46,3549.4) Y1.1@3738.11,3577.05 ; 3712.88,3588.5 ccw(c3712.88,3634.18) Y1.1@3745.18,3601.88 ; Y1.1@3758,3593 3753.5,3588.5 C25.2@3670,3588.5 3761.5,3680 v3(3801.5,3680) ; R16.1@3794.43,3672.93 ccw(c3777.36,3655.86) 3777.36,3680 ccw(c3777.36,3704.14) R16.1@3794.43,3687.07 ; R16.1@3797.96,3676.46 ccw(c3789.43,3667.93) 3789.43,3680 ccw(c3789.43,3692.07) R16.1@3797.96,3683.54
pads on no net: coder1.3 coder1.4 JTAG.4 JTAG.5 JTAG.7 JTAG.8 P-coder2.3 P-coder2.4 U1.8 U2.8 U3.8 U4.7 U4.17 U4.18 U4.19 U4.20 U4.21 U4.22 U4.23 U4.24 U4.25 U4.26 U4.27 U4.28 U4.29 U4.30 U4.31 U4.32 U4.33 U4.34 U4.39 U4.41 U4.42 U4.43 U4.44 U4.45 U4.46 U4.47 U4.54 U4.55 U4.56 U4.57 U4.58 U4.59 U4.60 U4.66 U4.77 Y1.2 Y1.4

## Keep-outs
Keep-Out Layer:
  lines w10: 1946,1961.56 ccw(c2061.56,1961.56) 2061.56,1846 5748.38,1846 ccw(c5748.38,1968.62) 5871,1968.62 5871,3827.72 ccw(c5752.72,3827.72) 5752.72,3946 2064.76,3946 ccw(c2064.76,3827.24) 1946,3827.24 1946,1961.56

## Other copper
Top Layer:
  rectangle net GND: 3815,2545 4005,2805
  rectangle net GND: 3725,2710 4090,2855
  text "2018/1/18" at 2205,1870 h50
Bottom Layer:
  rectangle net 7V2: 3830,2215 3990,2375
  rectangle net D7V2: 2075,2045 2255,2615
  rectangle net D7V2: 5560,2050 5740,2610
  rectangle net D7V2: 4165,2140 4375,2390
  rectangle net GND: 3680,2545 4140,2675

## Silkscreen, mask and mechanical layers (free items; w line width, h text height)
Top Overlay:
  lines w5: 2335,3179 2335,3175 2335,3160 2350,3160 2455,3160 ; 5175,2840 5185,2840 5185,3275
  lines w10: 1942.59,3991 1942.59,4011 ; 2002.59,3981 1942.59,4001 ; 2002.59,4021 1942.59,4001 ; 3624.17,4001 1942.59,4001 ; 4186,4001 5867.59,4001 ; 5807.59,3981 5867.59,4001 ; 5807.59,4021 5867.59,4001 ; 5867.59,3991 5867.59,4011
  text "3925 (mil)" at 3634.17,3965.01 h60
  text "DIO" at 4570,3900 h35
  text "CLK" at 4690,3900 h35
  text "1" at 2490,3890 h41
  text "2" at 2725,3890 h41
  text "3" at 2965,3890 h41
  text "4" at 3210,3890 h41
  text "GND" at 3545,3775 h45
  text "CS" at 4190,3775 h45
  text "GND" at 5400,3770 h45
  text "RX" at 5550,3770 h45
  text "TX" at 5655,3770 h45
  text "1" at 5810,3755 h45
  text "5V" at 4505,3735 h35
  text "G0" at 5230,3665 h45
  text "G1" at 5230,3565 h45
  text "G2" at 5230,3467 h45
  text "GND" at 4485,3445 h35
  text "E3" at 4605,3445 h35
  text "GND" at 4690,3445 h35
  text "E2" at 4820,3445 h35
  text "G3" at 5230,3365 h45
  text "SDA" at 4490,3180 h35
  text "SCL" at 4605,3180 h35
  text "5V" at 4805,3180 h35
  text "CLK" at 3070,3130 h45
  text "GND" at 3335,3020 h45 r90
  text "NC" at 2964,2976 h45 r90
  text "5V" at 3335,2915 h45 r90
  text "DIR" at 3065,2860 h45
  text "GND" at 3850,2665 h45
  text "VCC" at 3850,2150 h45
  text "IN1" at 4015,1915 h45 r90
  text "IN3" at 3335,1910 h45 r90
  text "IN4" at 3850,1910 h45 r90
  text "IN2" at 4530,1910 h45 r90

## Text inside footprints (layer, text, board x,y; h text height)
D8: Bottom Overlay "1" at 2705,3385 h32 r270
D9: Bottom Overlay "1" at 2955,3385 h32 r270
D10: Bottom Overlay "1" at 3205,3385 h32 r270
D11: Bottom Overlay "1" at 3460,3385 h32 r270